# Allegro board WNS_FDM_2V1-1221P2.brd (continued)
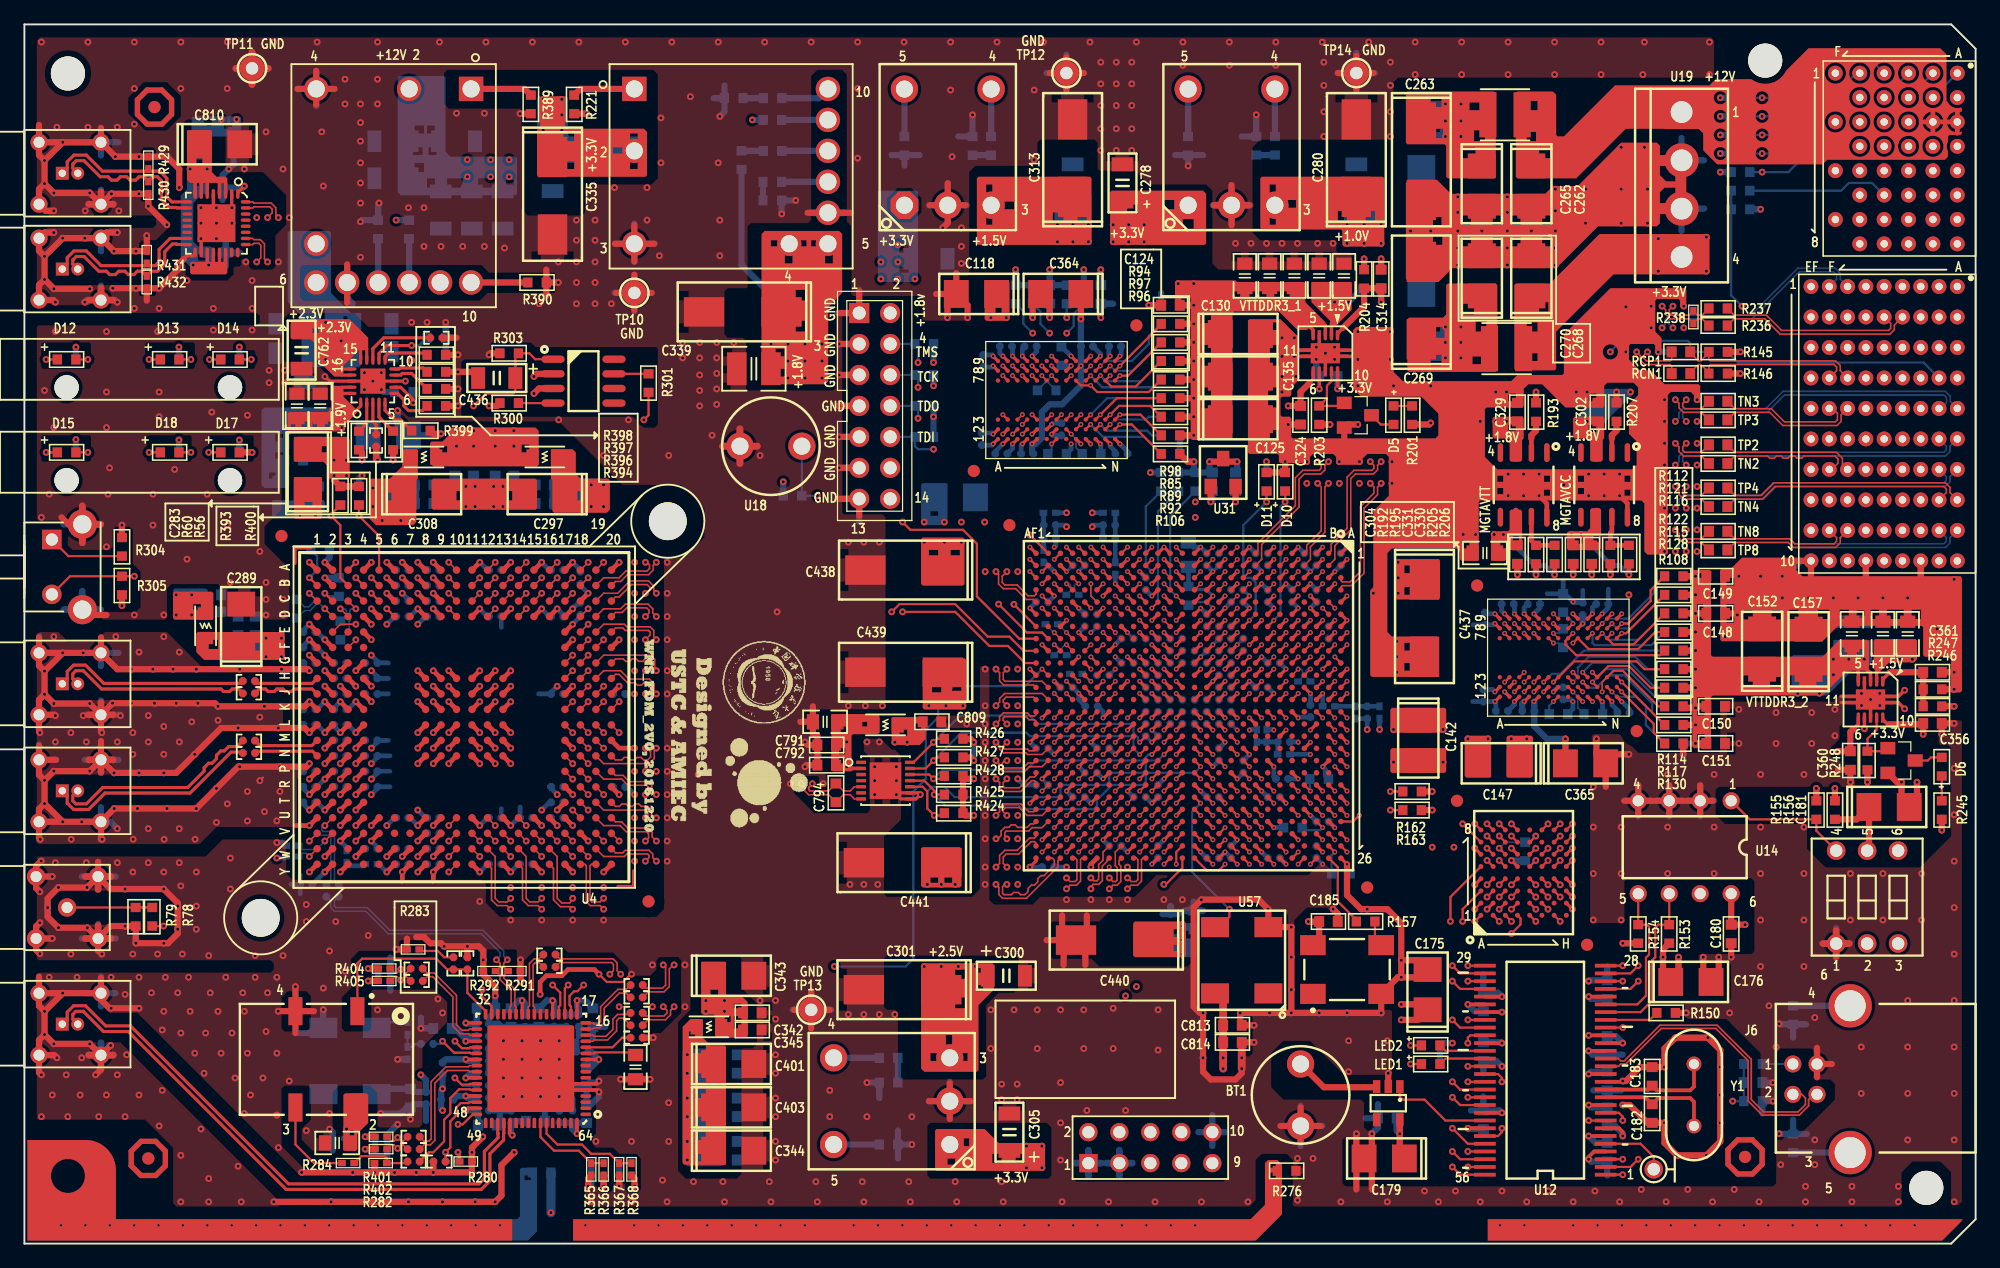
[diagram p0: board, top side]
## Routing (per net, layer and track width the routed paths; a pad name or vN(x,y) marks a point on that pad's centre or on a via; arc(x,y) is an arc through that point) (continued)
+1.8V: length 92.1
  TOP w0.254: U15.L11 v1(97.45,46.12) U15.M12 ; U15.A21 v1(108.45,36.12) ; U15.Y14 v1(88.45,43.12) ; U15.AB18 v1(86.45,39.12) ; U15.M18 v1(97.45,39.12) ; U15.D22 v1(105.45,35.12) ; U15.B18 v1(106.45,39.12) ; U17.D6 v2(121.94,32.43) ; U15.F16 v1(103.45,42.12) ; U15.T6 v1(92.45,51.12) ; U15.P10 v1(94.45,47.12) ; U15.E19 v1(104.45,38.12) ; U15.W17 v1(89.45,40.12) ; U17.G4 v2(125.94,29.43) ; U15.R9 v1(93.45,49.12) ; U17.H3 v2(126.94,28.43) ; U15.V10 v1(90.45,48.12) ; U15.F26 v1(103.45,31.12) ; U15.P8 v1(94.45,49.12) ; U15.T10 v1(92.45,48.12) ; U15.AD12 v1(84.45,46.12) ; v1(88.45,47.12) U15.AA11 ; U15.AB8 v1(86.45,50.12) ; U15.AF16 v1(82.45,41.12) ; U17.A4 v2(118.94,29.43) ; U15.U11 v1(91.45,47.12) ; U15.H20 v1(101.45,37.12) ; U17.D5 v2(121.94,31.43) ; U15.G23 v1(102.45,34.12) ; U15.M10 v1(97.45,48.12) ; U15.AC15 v1(85.45,42.12) ; U15.J17 v1(100.45,40.12) ; U15.L7 v1(98.45,51.12) ; U17.A6 v2(118.94,32.43) ; U15.W7 v1(90.45,50.12) ; U15.AE9 v1(83.45,49.12) ; U15.C25 v1(106.45,32.12) ; U15.L21 v1(98.45,36.12) ; U15.T8 v1(92.45,50.12) ; U15.AE19 v1(83.45,38.12)
  TOP w0.508: R163.2 v2(115.44,35.56) ; R162.1 v2(115.44,37.08) ; R207.2 v2(130.56,69.85) ; v2(105.28,26.42) C185.2 106.17,24.99 U16.4 ; R193.2 v2(123.95,69.85)
  ART03 w0.5: J7.2 70.99,77.46 ; J7.2 69.86,76.33 ; J7.2 72.12,76.33 ; J7.2 70.99,75.2
  BOTTOM w0.254: v1(97.45,48.12) U15.M10 ; C207.2 v1(90.45,50.12) ; v1(98.45,51.12) U15.L7 ; U15.T8 v1(92.45,50.12) ; U15.P10 v1(94.45,47.12) ; U15.R9 v1(93.45,49.12) ; U15.P8 v1(94.45,49.12) ; U15.T10 v1(92.45,48.12) ; U15.U11 v1(91.45,47.12) ; U15.AA11 v1(88.45,47.12) ; U15.V10 v1(90.45,48.12) ; U15.L11 v1(97.45,46.12) ; v1(83.45,38.12) C223.2
  BOTTOM w0.279: U15.C25 v1(106.45,32.12)
  BOTTOM w0.381: C209.2 v1(82.45,41.12) ; C371.2 v1(104.45,38.12) ; v1(98.45,36.12) U15.L21 ; R160.2 v1(102.45,34.12) ; v1(86.45,50.12) C222.2 ; C224.2 v1(101.45,37.12) ; R161.1 106.68,38.35 106.68,38.89 v1(106.45,39.12) ; v1(88.45,43.12) 88.45,43.62 C219.2 ; C368.2 v1(89.45,40.12) ; C211.2 v1(105.45,35.12) ; v1(84.45,46.12) U15.AD12 ; v1(100.45,40.12) C221.2 ; v1(97.45,39.12) C218.2 ; C208.2 v1(86.45,39.12) ; U15.F26 v1(103.45,31.12)
  BOTTOM w0.508: v2(101.85,64.14) R170.1 R168.1 ; R173.2 121.96,31.41 v2(121.94,31.43) ; R233.1 v2(139.06,87.88) ; R230.1 v2(139.06,93.98) ; R166.1 v2(74.55,67.82) R167.1 ; R165.1 v2(74.55,70.36) ; R232.1 v2(139.06,89.41) ; R229.1 v2(139.06,92.46) ; R231.1 v2(139.06,90.93) ; R169.1 v2(62.23,62.48) ; R210.2 58.8,80.26 61.21,77.85 v2(61.21,73.79) ; R172.1 v2(92.33,63.25) ; R164.1 v2(74.55,72.26)
  vias: v2(62.61,73.79) v2(62.61,72.39) v2(62.61,70.99) v2(64.01,73.79) v2(64.01,72.39) v2(64.01,70.99) v2(65.41,73.79) v2(65.41,72.39) v2(65.41,70.99) v2(74.17,44.12) v2(75.56,44.12) v2(76.96,44.12) v2(120.65,67.44) v2(121.54,67.44) v2(127.25,67.44) v2(128.14,67.44) v2(131.7,69.85)
+1.9V: length 10.4
  TOP w0.254: U59.1 27.58,68.71 27.07,68.2 ; 25.91,70.1 26.04,70.24 U59.19 ; U59.20 25.92,69.74
  TOP w0.508: R393.1 27.69,64.86 v2(27.69,64.26) ; v2(28.96,64.26) 28.84,64.39 C758.1 ; R400.1 v2(30.23,64.26)
  BOTTOM w0.508: v2(27.69,64.26) 27.69,65.79 C286.1 28.96,65.53 v2(28.96,64.26)
  vias: v2(12.45,53.21) v2(12.45,51.56) v2(13.72,53.21) v2(13.72,51.56) v2(25.27,68.33) v2(25.27,66.93) v2(26.04,68.33) v2(26.04,66.93) v2(35.43,66.67) v2(35.43,65.41) v2(36.83,66.67) v2(36.83,65.41) v2(38.61,66.67) v2(38.61,65.41) v2(40.13,66.67) v2(40.13,65.41)
+1.9VA: length 43.9
  TOP w0.381: U4.Y6 v2(29.72,30.48) ; U4.A6 v2(29.72,55.88) ; U4.E1 v2(23.37,50.8) ; U4.U8 v2(32.26,34.29) ; U4.N4 v2(27.18,39.37) ; U4.A2 v2(24.64,55.88) ; 24,48.9 v2(23.37,49.53) ; U4.U9 v2(33.53,34.29) ; U4.Y2 v2(24.64,30.48) ; U4.C6 v2(29.72,53.34) ; U4.H4 v2(28.45,45.72) ; U4.D9 v2(33.53,52.07) ; U4.W4 v2(27.18,31.75) ; U4.W6 v2(29.72,31.75) ; U4.B6 v2(29.72,54.61) ; U4.T1 v2(23.37,35.56) ; U4.D8 v2(32.26,52.07) ; U4.R1 v2(23.37,36.83)
  ART03 w0.508: v2(27.69,62.99) 26.23,61.53 25.08,61.53 23.88,60.33 v2(23.88,59.69)
  BOTTOM w0.381: v2(33.53,52.07) 34.03,51.57 C25.1 ; C38.1 22.87,49.03 v2(23.37,49.53) ; v2(29.72,55.88) U4.A6 C26.1 ; C28.1 27.95,46.22 v2(28.45,45.72) ; v2(29.72,53.34) U4.C6 C40.1 ; v2(32.26,34.29) 31.62,34.92 C41.1 ; v2(29.72,31.75) U4.W6 C24.1 ; v2(29.72,54.61) U4.B6 C42.1 ; C46.1 34.03,34.79 v2(33.53,34.29) ; v2(32.26,52.07) 31.62,51.44 C27.1 ; v2(24.64,30.48) 23.62,29.46 C23.1 ; C39.1 U4.W4 v2(27.18,31.75) ; C30.1 22.87,37.33 v2(23.37,36.83) ; C45.1 U4.N4 v2(27.18,39.37) ; v2(20.7,31.62) 21.34,31.62 R53.2 ; C43.1 22.87,36.06 v2(23.37,35.56) ; v2(23.37,50.8) 22.87,50.3 C22.1 ; C29.1 U4.Y6 v2(29.72,30.48) 29.08,31.11 R59.2
  BOTTOM w0.508: v2(24.64,55.88) 25.02,56.26 R54.2 ; v2(27.69,62.99) 27.43,62.74 R57.2 R61.2
  vias: v2(22.61,59.69)
+1.9VDR: length 31
  TOP w0.381: U4.D17 v2(44.96,52.07) ; U4.U15 v2(42.42,34.29) ; 36.7,51.44 v2(37.34,52.07) ; U4.D15 v2(42.42,52.07) ; U4.Y15 v2(42.42,30.48) ; U4.R20 v2(48.77,36.83) ; U4.T17 v2(43.69,35.56) ; U4.U16 v2(43.69,34.29) ; 36.7,34.92 v2(37.34,34.29) ; 36.7,55.24 v2(37.34,55.88) ; U4.C18 v2(46.23,53.34) ; 36.7,31.11 v2(37.34,30.48) ; U4.R17 v2(44.96,36.83) ; U4.J17 v2(44.96,45.72) ; U4.A15 v2(42.42,55.88) ; U4.J20 v2(48.77,45.72)
  BOTTOM w0.381: v2(42.42,55.88) 43.05,55.24 C47.1 ; v2(44.96,52.07) 45.46,52.57 C48.1 U4.C18 v2(46.23,53.34) 45.59,53.98 C49.1 ; C65.1 43.19,34.79 v2(43.69,34.29) ; C50.1 U4.J17 v2(44.96,45.72) ; v2(42.42,34.29) U4.U15 C64.1 ; v2(43.69,35.56) 44.19,36.06 C63.1 ; v2(42.42,52.07) 43.05,51.44 C59.1 ; v2(37.34,52.07) 37.97,51.44 C67.1 ; v2(48.77,36.83) 48.27,37.33 C62.1 ; v2(37.34,30.48) 37.97,31.11 C53.1 ; C51.1 U4.Y15 v2(42.42,30.48) ; C52.1 U4.R17 v2(44.96,36.83) ; C66.1 37.97,34.92 v2(37.34,34.29) ; v2(37.34,55.88) 37.97,55.24 C61.1 ; C68.1 48.27,45.22 v2(48.77,45.72)
  vias: v2(46.48,62.23) v2(46.48,60.45) v2(47.5,62.23) v2(47.5,60.45)
+1.9VE: length 11.2
  TOP w0.381: U4.A8 v2(32.26,55.88) ; U4.Y8 v2(32.26,30.48) ; U4.B9 v2(33.53,54.61) ; U4.C8 v2(32.26,53.34) ; U4.W9 v2(33.53,31.75) ; U4.V8 v2(32.26,33.02)
  BOTTOM w0.381: C69.1 U4.C8 v2(32.26,53.34) ; v2(33.53,31.75) 34.03,32.25 C73.1 ; C74.1 U4.Y8 v2(32.26,30.48) ; v2(32.26,55.88) U4.A8 C71.1 ; v2(33.53,54.61) 34.03,54.11 C70.1 ; C72.1 U4.V8 v2(32.26,33.02)
  vias: v2(28.57,61.98) v2(28.57,60.45) v2(29.34,59.31) v2(30.86,59.31)
+1.9VTC: length 25.3
  TOP w0.381: U4.K3 v2(25.91,44.45) ; U4.J3 v2(25.91,45.72) ; U4.G1 v2(23.37,48.26) ; U4.N2 v2(24.64,39.37) ; U4.G3 v2(25.91,46.99) ; U4.P4 v2(27.18,38.1) ; U4.P1 v2(23.37,38.1) ; U4.R3 v2(25.91,36.83) ; U4.L3 v2(25.91,41.91) ; U4.P3 v2(25.91,38.1) ; U4.H2 v2(24.64,46.99) ; U4.M3 v2(25.91,40.64) ; U4.R4 v2(27.18,36.83) ; U4.G4 v2(27.18,46.99)
  BOTTOM w0.381: v2(24.64,46.99) U4.H2 C36.1 ; v2(23.37,48.26) 23.87,47.76 C60.1 ; C37.1 25.41,42.41 v2(25.91,41.91) ; C55.1 23.87,38.6 v2(23.37,38.1) ; C54.1 U4.G4 v2(27.18,46.99) ; C44.1 U4.P4 v2(27.18,38.1) ; v2(25.91,45.72) 26.41,45.22 C32.1 ; v2(25.91,38.1) 26.41,38.6 C35.1 ; C33.1 U4.R4 v2(27.18,36.83) ; C31.1 26.41,41.14 v2(25.91,40.64) ; C34.1 26.41,37.33 v2(25.91,36.83) ; v2(25.91,44.45) 25.41,43.95 C57.1 ; v2(24.64,39.37) U4.N2 C56.1 ; C58.1 26.41,47.49 v2(25.91,46.99)
  vias: v2(19.81,49.66) v2(19.81,48.13) v2(21.08,49.66) v2(21.08,48.13)
+2.3V: length 12.4
  TOP w0.254: 25.91,71.37 26.04,71.24 U59.17 ; U59.14 28.08,73.4 27.81,73.66 ; U59.16 26.05,71.74 ; U59.15 27.58,73.39
  ART10 w0.508: v2(30.48,83.95) 28.54,82.01 U58.4
  BOTTOM w0.508: R391.2 v2(30.48,83.95)
  vias: v2(24.7,75.56) v2(24.7,74.04) v2(24.7,72.52) v2(25.97,75.56) v2(25.97,74.04) v2(25.97,72.52)
+2.5V: length 8.3
  TOP w0.254: U15.AF26 82.95,31.38 v2(82.45,30.88) ; U15.AA21 v1(87.45,36.12) ; U15.AD22 v1(84.45,35.12) ; U15.U23 v1(91.45,34.12) ; U15.AC25 v1(85.45,32.12) ; U15.Y24 v1(88.45,33.12) ; U15.V20 v1(90.45,37.12)
  BOTTOM w0.381: C248.2 v1(88.45,33.12) ; v1(90.45,37.12) C251.2 ; C249.2 v1(87.45,36.12) ; C250.2 v2(82.45,30.88)
  vias: v2(73.79,22.73) v2(74.04,29.46) v2(75.18,29.46) v2(75.18,22.73) v2(76.33,29.46) v2(76.58,22.73) v2(77.98,22.73)
+3.3V: length 103.3
  TOP w0.254: U15.N25 v1(96.45,32.12) ; U15.P22 v1(94.45,35.12) ; U15.R19 v1(93.45,38.12) ; U15.T16 v1(92.45,41.12) ; U33.10 152.38,42.99 ; U15.T26 v1(92.45,31.12) ; U15.K24 v1(99.45,33.12)
  TOP w0.279: 152.38,42.99 152.78,42.6 152.91,42.6 ; U29.10 v2(107.68,70.1) ; U33.7 v2(150.88,42.22) ; U29.7 v2(106.18,70.1)
  TOP w0.305: U12.39 v2(121.16,16.45) ; U12.18 v2(131.06,16.45) ; U12.14 v2(128.27,13.91) ; U12.34 v2(118.36,19.62) ; U12.50 v2(118.36,9.46) ; U12.24 v2(128.27,20.26) ; U12.10 v2(128.27,11.37) ; U12.6 v2(128.27,8.83)
  TOP w0.508: R248.1 v2(151.13,37.85) ; R156.2 v2(148.46,37.34) ; v2(112.9,18.35) 114.24,18.35 C175.1 114.62,19.62 v2(112.9,19.62) ; U31.1 v2(97.28,60.83) ; v2(141.1,26.16) C180.2 U14.8 ; R153.2 134.37,24.13 v2(134.37,23.5) 134.37,22.1 C176.1 135.64,22.1 v2(135.64,23.5) ; R155.2 v2(146.94,37.34) ; v2(115.32,67.31) 115.19,67.18 R201.1 ; R245.1 v2(157.23,33.91) ; U36.2 42,71.34 v2(41.78,71.12) ; C179.1 112.78,7.37 v2(112.78,9.02) 112.79,9.03 U13.5 ; R305.1 v2(8,52.32) ; v2(38.1,68.71) 38.76,68.71 R300.1 ; C356.1 155.7,42.6 ; 155.7,42.6 v2(155.7,41.78) ; 155.7,42.6 152.91,42.6 ; R203.1 v2(107.06,67.18) ; R154.2 v2(131.06,24.64)
  TOP w0.635: v2(98.3,14.35) v2(98.3,15.24) C814.2 C813.2 98.3,19.86 U57.4
  ART08 w0.508: v2(107.06,67.18) 106.3,66.42 100.33,66.42 98.3,64.39 98.3,61.85 v2(97.28,60.83)
  BOTTOM w0.254: v1(92.45,41.12) C245.2
  BOTTOM w0.381: C227.2 v1(96.45,32.12) ; v1(92.45,31.12) U15.T26 ; v1(99.45,33.12) C239.2 ; v1(93.45,38.12) C246.2
  BOTTOM w0.508: R306.1 v2(4.22,73.53) ; v2(118.36,9.46) 118.43,9.4 C170.1 ; R438.1 v2(17.62,65.91) ; v2(128.27,11.37) 128.46,11.18 C174.1 ; R148.2 R151.2 116.27,16.45 v2(117.09,16.45) ; C178.1 112.52,9.27 v2(112.78,9.02) ; C168.1 130.49,17.02 v2(131.06,16.45) ; C169.1 118.94,19.05 v2(118.36,19.62) ; C173.1 121.09,16.51 v2(121.16,16.45) ; R439.1 v2(12.67,65.91) ; R218.2 v2(59.69,92.17) ; C172.1 128.84,8.26 v2(128.27,8.83) ; R435.1 v2(17.62,73.53) ; R436.1 v2(4.22,65.95) ; R307.1 v2(12.67,73.53) ; v2(128.27,13.91) 128.46,14.1 129.79,14.1 ; C320.1 97.41,60.96 v2(97.28,60.83) ; C315.1 v2(107.68,70.1) ; C171.1 128.46,20.07 v2(128.27,20.26)
  vias: v2(16.13,92.2) v2(17.4,92.2) v2(42.55,93.85) v2(42.55,92.58) v2(42.55,91.31) v2(44.07,93.85) v2(44.07,92.58) v2(44.07,91.31) v2(55.88,19.94) v2(55.88,19.05) v2(57.4,19.94) v2(57.4,19.05) v2(70.23,80.52) v2(70.23,79.12) v2(71.37,41.12) v2(71.63,81.92) v2(71.63,80.52) v2(71.63,79.12) v2(72.39,41.12) v2(73.03,79.12) v2(82.17,8) v2(82.17,6.22) v2(83.44,8) v2(83.44,6.22) v2(89.28,83.57) v2(89.28,82.17) v2(90.55,83.57) v2(90.55,82.17) v2(91.82,83.57) v2(91.82,82.17) v2(94.93,26.04) v2(94.93,24.89) v2(94.93,23.75) v2(116.52,75.18) v2(116.52,73.91) v2(116.52,72.64) v2(117.79,75.18) v2(117.79,73.91) v2(117.79,72.64)
+3.3V_BUF: length 9.5
  TOP w0.279: U62.22 16.5,80.28 ; U62.21 16,80.27 ; U62.8 14,87.22 ; U62.20 15.5,80.27 ; U62.19 15,80.38 v2(15.11,80.26) ; U62.6 15,87.24 ; U62.4 16,87.12 ; U62.3 16.5,87.11 ; U62.7 14.5,87.1
  vias: v2(13.59,88.14) v2(13.84,80.26) v2(14.99,88.14)
+3.3V_IN: length 35.6
  ART08 w0.5: XJ4.E4 150.5,90.91 ; XJ4.E4 150.5,89.09 ; XJ4.E4 151.41,90 ; XJ4.E4 149.59,90 ; 152.5,89.09 XJ4.D4 ; XJ4.D4 153.41,90 ; XJ4.D4 151.59,90 ; XJ4.D4 152.5,90.91 ; XJ4.C4 155.41,90 ; XJ4.C4 153.59,90 ; XJ4.C4 154.5,89.09 ; XJ4.C4 154.5,90.91 ; 134.19,80.92 U19.4 ; U19.4 135.89,79.22 ; U19.4 135.89,82.63 ; U19.4 137.59,80.92
  ART10 w0.5: XJ4.E4 151.41,90 ; XJ4.E4 149.59,90 ; XJ4.E4 150.5,90.91 ; XJ4.E4 150.5,89.09 ; XJ4.C4 155.41,90 ; XJ4.C4 154.5,89.09 ; XJ4.C4 153.59,90 ; XJ4.C4 154.5,90.91 ; U19.4 137.59,80.92 ; U19.4 135.89,79.22 ; U19.4 135.89,82.63 ; U19.4 134.19,80.92 ; XJ4.D4 152.5,90.91 ; XJ4.D4 152.5,89.09 ; XJ4.D4 151.59,90 ; XJ4.D4 153.41,90
  vias: v2(133.99,82.42) v2(133.99,79.76) v2(137.92,82.55) v2(137.92,79.76)
+3.3V_T: length 9.7
  TOP w0.279: U60.2 67.58,38.97 v2(67.44,39.12)
  TOP w0.508: v2(77.85,38.12) 77.2,38.12 R428.1 R425.1 R424.1 77.15,35.12 v2(77.85,35.12) ; v2(77.85,41.12) 77.57,41.4 R426.1 ; v2(77.85,39.62) 77.59,39.88 R427.1
  BOTTOM w0.508: v2(77.85,39.62) v2(77.85,41.12)
  vias: v2(67.44,41.15)
+3.3VPLL: length 52.6
  TOP w0.254: U34.33 v2(36.2,18.1) ; U34.26 v2(40.82,19.94) ; U34.21 v2(43.32,19.94) ; U34.36 v2(36.2,16.6) ; U34.17 v2(45.32,19.94)
  TOP w0.305: U34.39 36.21,15.1 v2(36.2,15.11) ; U34.53 39.82,9.08 v2(40.01,8.89) ; U34.45 v2(36.2,12.1) ; v2(36.2,10.92) 36.37,11.1 U34.47 ; U34.10 v2(47.11,15.1) ; U34.42 36.21,13.6 v2(36.2,13.59) ; U34.64 v2(45.32,9.02)
  TOP w0.508: v2(50.04,4.7) 50.04,5.33 R368.1 ; R366.1 v2(47.5,4.7)
  BOTTOM w0.508: U6.4 29.32,12.7 C98.2 31.92,12.44 C424.2 32.93,13.42 v2(32.51,13.84) ; C418.2 36.36,11.94 v2(36.2,12.1) 35.46,12.1 C76.1 ; C94.2 37.21,10.8 C407.2 v2(36.2,10.92) ; C447.1 47.49,4.71 v2(47.5,4.7) ; v2(26.42,9.4) 26.42,8.77 C426.1 ; v2(40.01,8.89) 39.88,9.02 39.88,9.88 C449.1 40.04,10.03 C100.2 ; C420.2 C414.2 45.47,19.3 45.32,19.45 v2(45.32,19.94) 45.97,19.94 C93.2 ; C99.2 46.09,9.91 C406.2 ; C427.2 50.04,5.33 v2(50.04,4.7) ; C82.1 34.55,15.11 v2(36.2,15.11) 36.32,14.99 C448.1 ; C423.2 36.58,13.97 v2(36.2,13.59) ; C406.2 C409.2 ; C406.2 44.93,9.4 v2(45.32,9.02) ; C79.1 46.48,14.48 v2(47.11,15.1) 46.46,15.75 C75.1 ; C450.1 41.06,19.7 v2(40.82,19.94) 40.55,19.94 C80.1 ; C95.2 42.84,19.94 v2(43.32,19.94) 43.43,19.82 C422.2 ; C431.2 36.61,17.02 v2(36.2,16.6) 36.2,16.76 35.31,17.65 C97.2 ; v2(36.2,18.1) 36.26,18.03 C430.2 37.08,18.04 C96.2
  vias: v2(54.36,15.49) v2(54.36,13.97) v2(54.36,11.94) v2(54.36,10.41) v2(54.36,8.38) v2(54.36,6.86)
+12V: length 11
  ART10 w0.762: v2(36.32,88.9) v2(36.32,87.5) 36.32,87.38 35.05,86.11 35.05,81.28 34.09,80.32 U58.9
  vias: v2(38.23,88.9) v2(38.23,87.5) v2(39.75,88.9) v2(39.75,87.5) v2(116.52,93.47) v2(116.52,92.08) v2(116.52,90.81) v2(117.79,93.47) v2(117.79,92.08) v2(117.79,90.81)
+12V_IN: length 29.5
  TOP w0.381: 156.5,92.93 XJ4.B3 ; XJ4.B3 XJ4.A3 ; XJ4.B3 156.5,91.09 ; XJ4.B3 155.52,92 ; 158.5,92.96 XJ4.A3 ; XJ4.A3 158.5,91.06
  ART08 w0.5: XJ4.B3 156.5,92.91 ; XJ4.B3 157.41,92 ; XJ4.B3 155.59,92 ; 135.89,91.11 U19.1 ; U19.1 137.59,92.81 ; U19.1 135.89,94.51 ; U19.1 134.19,92.81 ; 158.5,92.91 XJ4.A3 157.59,92
  ART10 w0.5: 134.19,92.81 U19.1 ; U19.1 135.89,91.11 ; U19.1 135.89,94.51 ; U19.1 137.59,92.81 ; 158.5,92.91 XJ4.A3 157.59,92 ; XJ4.B3 156.5,92.91 ; XJ4.B3 155.59,92 ; XJ4.B3 157.41,92
GND: length 2270
  TOP w0.178: v2(49.78,22.1) 49.73,22.1 49.09,21.46 47.75,21.46 v2(47.12,22.1) ; 19.56,38.23 v2(19.3,37.97)
  TOP w0.254: U10.N1 v1(89.83,65.59) ; U15.U14 v1(91.45,43.12) ; U15.AB13 v1(86.45,45.12) ; U15.AF21 v1(82.45,36.12) ; U11.L9 v1(129.38,51.66) ; U11.N1 v1(130.98,44.46) ; U15.T11 v1(92.45,47.12) ; U15.N1 v1(96.45,57.12) ; U15.K13 v1(99.45,45.12) ; U15.F3 v1(103.45,55.12) ; U15.T9 v1(92.45,49.12) ; U15.D4 v1(105.45,54.12) ; U15.P3 v1(94.45,55.12) ; U15.N11 v1(96.45,47.12) ; U15.R10 v1(93.45,48.12) ; U11.C9 v1(122.18,51.66) ; U15.H7 v1(101.45,51.12) ; U15.AC20 v1(85.45,37.12) ; U11.J9 v1(126.98,51.66) ; U15.AA6 v1(88.45,52.12) ; U15.W2 v1(90.45,56.12) ; U15.E7 v1(104.45,51.12) ; U15.AE4 v1(84.45,53.12) ; U15.U18 v1(91.45,39.12) ; U10.B2 v1(80.23,66.39) ; U15.A6 v1(108.45,51.12) U15.A7 ; U15.R12 v1(93.45,46.12) ; U15.N2 v1(96.45,56.12) ; U11.L1 v1(129.38,44.46) ; U15.L1 v1(98.45,57.12) ; U15.V5 v1(90.45,53.12) ; U15.M11 v1(97.45,47.12) ; U11.N9 v1(130.98,51.66) ; U15.E1 v1(104.45,57.12) ; U15.W22 v1(89.45,35.12) ; U15.AD17 v1(84.45,40.12) ; U11.F8 v1(124.58,50.86) ; U15.A2 v1(108.45,56.12) ; U15.P4 v1(94.45,54.12) ; U15.R24 v1(93.45,33.12) ; U15.A16 v1(108.45,41.12) ; U15.AF1 v1(82.45,57.12) ; U15.T15 v1(92.45,42.12) ; U15.B4 v1(107.45,54.12) ; U15.C1 v1(106.45,57.12) ; U15.AC10 v1(86.45,48.12) ; U15.C5 v1(105.45,53.12) ; U15.J2 v1(100.45,56.12) ; U10.C9 v1(81.03,72.79) ; U10.F8 v1(83.43,71.99) ; U15.V25 v1(90.45,32.12) ; U15.U12 v1(91.45,46.12) ; U15.E24 v1(104.45,33.12) ; U15.C10 v1(106.45,48.12) ; U15.N7 v1(96.45,51.12) ; U15.A26 v1(108.45,31.12) ; U15.AB23 v1(86.45,34.12) ; U17.H4 v2(126.94,29.43) ; U15.R5 v1(93.45,53.12) ; U15.K9 v1(99.45,49.12) ; U15.E2 v1(104.45,56.12) ; U15.U8 v1(91.45,50.12) ; U15.AA16 v1(87.45,41.12) ; U15.P9 v1(94.45,48.12) ; U15.N5 v1(96.45,53.12) ; U15.M23 v1(97.45,34.12) ; U15.T4 v1(92.45,53.12) ; U15.G1 v1(102.45,57.12) ; U10.J9 v1(85.83,72.79) ; U15.V15 v1(90.45,42.12) ; v1(122.18,46.06) U11.B2 ; U15.P12 v1(94.45,46.12) ; U15.G18 v1(102.45,39.12) ; U11.A8 v1(120.58,50.86) ; U17.B2 v2(119.94,27.43) ; U15.R14 v1(93.45,43.12) ; U10.N9 v1(89.83,72.79) ; U15.L12 v1(98.45,46.12) ; U15.G8 v1(102.45,50.12) ; U15.A1 v1(108.45,57.12) ; U15.B7 v1(107.45,51.12) ; U15.H15 v1(100.45,43.12) ; U15.J22 v1(100.45,35.12) ; U15.F21 v1(103.45,36.12) ; U15.J12 v1(100.45,46.12) ; U10.D8 v1(81.83,71.99) ; U15.P15 v1(94.45,42.12) ; U15.AE24 v1(83.45,33.12) ; U15.Y19 v1(88.45,38.12) ; U15.R2 v1(93.45,56.12) ; U15.P17 v1(94.45,40.12) ; U15.U10 v1(91.45,48.12) ; U15.L14 v1(98.45,43.12) ; U15.M15 v1(97.45,42.12) ; U10.L9 v1(88.23,72.79) ; U15.E8 v1(104.45,50.12) ; U15.L5 v1(98.45,53.12) ; U15.L26 v1(98.45,32.12) ; U15.R11 v1(93.45,47.12) ; U15.T13 v1(92.45,45.12) ; U15.M7 v1(97.45,51.12) ; U15.D17 v1(105.45,41.12) ; U15.M13 v1(97.45,45.12) ; U15.F4 v1(103.45,54.12) ; U15.AE14 v1(83.45,43.12) ; U15.R1 v1(93.45,57.12) U15.T1 ; U15.L16 v1(98.45,41.12) ; U15.E14 v1(104.45,43.12) ; U15.AD7 v1(85.45,51.12) ; U15.L10 v1(98.45,48.12) ; U10.L1 v1(88.23,65.59) ; U15.M9 v1(97.45,49.12) ; U15.R8 v1(93.45,50.12) ; U15.H25 v1(101.45,32.12) ; U15.N14 v1(96.45,43.12) ; U10.D1 v1(81.83,65.59) ; U15.A5 v1(108.45,53.12) ; U15.T21 v1(92.45,36.12) ; U17.H6 v2(126.94,32.43) ; U10.D9 v1(81.83,72.79) ; U10.B8 v1(80.23,71.99) ; U15.J5 v1(100.45,53.12) ; U11.J1 v1(127.78,44.46) ; U10.B1 v1(80.23,65.59) ; U17.H2 v2(126.94,27.43) ; U15.B13 v1(107.45,45.12) ; U15.P13 v1(94.45,45.12) ; U15.C7 v1(106.45,51.12) ; U15.F11 v1(103.45,47.12) ; U15.C20 v1(106.45,37.12) ; U15.K11 v1(99.45,47.12) ; U15.K19 v1(99.45,38.12) ; U15.AF11 v1(82.45,47.12) ; U10.J1 v1(86.63,65.59) ; U11.D1 v1(122.98,44.46) ; U15.F7 v1(103.45,51.12) ; U10.F2 v1(84.23,67.19) ; U15.G5 v1(102.45,53.12) ; U10.A8 v1(79.43,71.99) ; U11.A1 v1(120.58,44.46) ; U15.M4 v1(97.45,54.12) ; U11.B8 v1(121.38,50.86) ; U15.T3 v1(92.45,54.12) ; U15.E5 v1(104.45,53.12) ; U10.A1 v1(79.43,65.59) ; U15.N20 v1(96.45,37.12) ; U11.D9 v1(122.98,51.66) ; U11.F2 v1(124.58,45.26) ; U15.N10 v1(96.45,48.12) ; U15.H4 v1(101.45,54.12) ; U15.B23 v1(107.45,34.12) ; v2(31.24,70.74) U59.8 v2(28.57,70.74) U59.18 25.02,70.74 v2(24.64,71.12) ; U15.D7 v1(105.45,51.12) ; U11.B1 v1(121.38,45.26) ; U15.K4 v1(99.45,54.12) ; U15.K7 v1(99.45,51.12) ; U15.AB3 v1(86.45,55.12) ; U15.W12 v1(90.45,46.12) ; U15.J1 v1(100.45,57.12) ; U15.P7 v1(94.45,50.12) ; U11.D8 v1(122.98,50.86) ; U15.K3 v1(99.45,55.12) ; U15.Y9 v1(89.45,49.12) ; 71.64,36.97 v2(71.5,36.83) 71.86,36.47 U60.8 73.11,36.47 v2(73.47,36.83) 73.32,36.97 U60.9 71.64,36.97
  TOP w0.279: v2(154.18,45.39) 153.67,44.88 152.39,44.88 v2(152.14,45.13) ; v2(15.75,84.96) 15.5,85.21 U62.5 ; v2(107.44,73.53) 107.68,73.28 109.22,73.28 ; v2(109.35,72.52) 109.09,72.77 107.68,72.77 v2(107.44,72.53) ; v2(150.64,44.13) 150.39,44.37 148.97,44.37 ; U33.4 150.88,45.37 v2(150.64,45.13) 150.39,44.88 148.97,44.88 ; v2(152.14,44.13) 152.39,44.37 153.67,44.37 v2(154.18,43.87) ; U62.2 17,84.98 v2(17.02,84.96) ; v2(106.69,73.03) 106.68,73.02 U29.8 ; v2(105.94,73.53) 106.18,73.77 U29.4 ; 13.08,80.77 13.34,81.03 13.84,81.03 14,81.18 U62.17 ; v2(14.48,82.42) 14.5,82.4 U62.18 ; v2(18.03,86.74) 17.5,86.21 U62.1 ; v2(151.39,44.63) 151.38,44.62 U33.8
  TOP w0.305: U12.4 128.71,7.56 128.27,7.11 v2(128.27,6.92) ; U12.33 v2(121.16,20.26) ; U12.19 v2(128.27,17.08) ; v2(105.94,72.53) 105.69,72.77 104.27,72.77 ; v2(131.06,8.83) 131.06,9.16 130.76,9.46 U12.7 ; U12.13 131,13.27 v2(131.06,13.34) ; v2(105.94,73.53) 105.69,73.28 104.27,73.28 ; U12.17 v2(128.27,15.81) ; v2(47.12,12.45) 46.96,12.6 U34.5 44.9,12.6 44.11,11.81 ; U12.35 v2(121.16,18.99) ; v2(47.12,13.34) 46.88,13.1 U34.6 44.13,13.1 44.11,13.08 ; U12.48 v2(121.16,10.73)
  TOP w0.381: U4.M9 v2(33.53,40.64) ; U4.U4 v2(27.18,34.29) ; 36.7,41.27 v2(37.34,40.64) ; 36.7,42.55 v2(37.34,41.91) ; 39.24,31.11 v2(39.88,30.48) ; v2(124.21,61.34) 124.84,60.71 124.84,59.58 ; U4.H9 v2(33.53,46.99) ; U4.G2 v2(24.64,48.26) ; U4.W2 v2(24.64,31.75) ; U4.D5 v2(28.45,52.07) ; U4.B8 v2(32.26,54.61) ; U4.Y1 v2(23.37,30.48) ; U4.V3 v2(25.91,33.02) ; U4.A4 v2(28.45,55.88) ; 39.24,40.01 v2(39.88,39.37) ; 39.24,41.27 v2(39.88,40.64) ; U30.8 131.44,60.71 v2(130.81,61.34) ; U4.V18 v2(46.23,33.02) ; U4.A1 v2(23.37,55.88) ; 39.24,51.44 v2(39.88,52.07) ; U4.E4 v2(28.45,49.53) ; 25.27,48.9 v2(24.64,49.53) ; U4.T3 v2(25.91,35.56) ; U4.Y9 v2(33.53,30.48) 33.53,29.72 ; U4.M17 v2(44.96,40.64) ; U4.J12 v2(38.61,45.72) ; 36.7,46.35 v2(37.34,46.99) ; U4.L9 v2(33.53,41.91) ; U4.P2 v2(24.64,38.1) ; U4.U1 v2(23.37,34.29) 22.23,34.29 ; U4.D4 v2(28.45,50.8) ; U4.B2 v2(24.64,54.61) ; U4.M20 48.77,40.64 v2(50.04,40.64) ; v2(47.12,22.1) 46.74,22.48 44.58,22.48 44.07,21.97 42.8,21.97 42.29,21.46 v2(42.29,20.45) ; U4.K4 v2(27.18,44.45) ; 39.24,34.92 v2(39.88,34.29) ; U4.D16 v2(43.69,52.07) ; U4.A9 v2(33.53,55.88) ; U4.K9 v2(33.53,44.45) ; U4.L8 v2(32.26,41.91) ; U4.K10 v2(34.8,44.45) ; U4.M10 v2(34.8,40.64) ; 36.7,45.09 v2(37.34,45.72) ; U4.V5 v2(28.45,33.02) ; U4.N3 v2(25.91,39.37) ; 31.62,32.38 v2(30.99,31.75) ; U4.U3 v2(25.91,34.29) ; 39.24,46.35 v2(39.88,46.99) ; 31.62,31.11 v2(30.99,30.48) 30.99,29.72 ; U4.T4 v2(27.18,35.56) ; U4.A17 v2(44.96,55.88) ; U4.W8 v2(32.26,31.75) ; U4.H10 v2(34.8,46.99) ; U4.H3 v2(27.18,45.72) ; U4.L4 v2(27.18,41.91) ; U4.N12 v2(38.61,39.37) ; 48.13,48.9 v2(48.77,49.53) ; U4.J8 v2(32.26,45.72) ; U4.J10 v2(34.8,45.72) ; 31.62,55.24 v2(30.99,55.88) ; U4.L1 v2(23.37,41.91) ; U4.R2 v2(24.64,36.83) ; U4.K1 v2(23.37,44.45) ; U4.A20 v2(48.77,55.88) ; 39.24,42.55 v2(39.88,41.91) ; U4.K12 v2(38.61,44.45) ; U4.J2 v2(24.64,45.72) ; U4.M2 v2(24.64,40.64) ; U4.H12 v2(38.61,46.99) ; v2(87.45,30.88) 87.45,31.12 U15.AA26 ; U4.N10 v2(34.8,39.37) ; 36.7,43.81 v2(37.34,44.45) ; U4.M12 v2(38.61,40.64) ; 36.7,40.01 v2(37.34,39.37) ; U4.L10 v2(34.8,41.91) ; 39.24,55.24 v2(39.88,55.88) ; U4.K8 v2(32.26,44.45) ; U4.T2 v2(24.64,35.56) ; U4.L12 v2(38.61,41.91) ; U4.N9 v2(33.53,39.37) ; U4.U5 v2(28.45,34.29) ; U4.U17 v2(44.96,34.29) ; 39.24,43.81 v2(39.88,44.45) ; U4.J9 v2(33.53,45.72) ; U4.Y17 v2(44.96,30.48) ; U4.H8 v2(32.26,46.99) ; U4.N8 v2(32.26,39.37) ; 44.32,48.9 v2(44.96,49.53) ; 39.24,45.09 v2(39.88,45.72) ; U4.M8 v2(32.26,40.64) ; U4.Y20 v2(47.5,30.48) ; U4.V9 v2(33.53,33.02) ; U4.E17 v2(44.96,50.8) ; 31.62,53.98 v2(30.99,54.61) ; U4.C9 v2(33.53,53.34)
  TOP w0.508: J6.4 147,16.06 ; J6.4 148.21,14.73 ; J6.4 147,13.65 ; J11.6 1.2,19.5 v2(1.65,19.05) ; J11.6 1.2,21.9 ; J11.6 v2(3.14,20.54) ; v2(9.4,38.61) v2(11.43,38.61) 12.45,38.61 v2(13.97,40.13) 16.13,42.29 v2(17.53,42.29) v2(20.83,42.29) 22.99,42.29 v2(23.37,41.91) ; v2(9.4,38.61) v2(7.35,38.61) J9.5 ; v2(9.4,38.61) 9.42,38.63 ; U14.2 138.43,36.32 ; U14.2 136.27,36.32 ; U14.2 137.41,37.59 ; U14.2 137.41,35.18 ; 10.03,77.34 R432.2 ; R432.2 v2(9.14,78.36) v2(7.25,78.36) ; R432.2 v2(11.05,78.36) 12.57,79.88 v2(12.57,80.26) 13.08,80.77 ; C330.2 v2(128.52,54.86) ; v2(1.65,37.99) v2(1.65,36.09) ; v2(1.65,37.99) v2(2.41,38.76) v2(5.36,38.76) J9.5 ; v2(1.65,37.99) 1.2,38.45 J9.6 ; v2(1.65,36.09) 1.2,35.64 J9.3 ; v2(1.65,36.09) v2(3.14,34.6) ; v2(103.89,18.92) v2(103.89,20.83) v2(103.89,23.5) v2(103.89,25.96) U57.2 102.01,27.41 v2(101.98,27.43) 101.2,28.21 96.52,28.21 v2(96.51,28.2) 95.89,27.58 95.89,19.43 96.39,18.92 v2(96.65,18.92) v2(96.65,15.24) 96.65,14.1 97.28,13.46 99.31,13.46 99.82,13.97 v2(99.82,14.35) ; v2(103.89,18.92) v2(106.17,18.92) v2(108.46,18.92) v2(111.26,18.92) U16.2 112.62,21.84 v2(112.9,21.84) ; v2(103.89,18.92) v2(102.11,18.92) v2(99.69,18.92) 99.69,18.03 C813.1 v2(100.84,17.91) ; J8.3 1.2,44.6 v2(1.65,45.06) ; J8.3 1.2,41.98 v2(1.27,41.91) ; J8.3 2.47,43.37 v2(2.54,43.31) ; BT1.2 106.3,9.65 ; BT1.2 104.65,11.18 ; BT1.2 103,9.65 ; BT1.2 104.65,8.26 ; 109.22,4.45 109.22,6.35 C179.2 ; 68.45,66.17 v2(66.8,66.17) ; J4.3 0.96,26.01 v2(1.27,26.32) ; J4.3 v2(2.29,25.03) ; J4.3 0.96,24.09 v2(1.27,23.78) ; v2(155.19,37.85) 155.19,36.45 C181.2 153.92,36.45 v2(153.92,37.85) 153.57,37.85 Q2.2 ; v2(1.65,17.14) 1.2,16.69 J11.3 ; v2(1.65,17.14) v2(1.65,19.05) ; v2(1.65,17.14) v2(2.41,16.38) v2(5.36,16.38) J11.4 ; v2(10.03,82.68) R431.1 v2(9.14,81.41) v2(7.34,81.41) J16.5 ; v2(137.67,23.5) 137.67,22.1 C176.2 138.94,22.1 v2(138.94,23.5) ; J9.6 1.2,40.82 ; J9.6 2.59,39.68 ; C793.2 64.66,41.8 ; C793.2 64.66,44.07 ; C793.2 63.63,42.8 ; C365.2 128.91,40.16 v2(128.91,41.4) ; C365.2 129.67,37.47 ; C365.2 130.4,40.13 v2(131.57,40.13) ; v2(131.06,13.34) 131.32,13.34 v2(132.46,14.48) C183.1 v2(134.49,14.48) 134.49,16 v2(135.38,16.89) v2(138.05,16.89) 139.06,15.88 v2(139.06,14.48) v2(139.06,12.19) v2(139.06,9.91) 139.06,8.38 v2(137.92,7.24) v2(135.51,7.24) 134.49,8.26 v2(134.49,9.91) C182.1 133.1,9.91 131.64,11.37 v2(131.06,11.37) ; XJ3.AB10 155.5,54.41 ; v2(5.84,13.84) 6.28,14.28 J11.4 ; v2(23.37,46.99) 23.24,47.12 v2(21.08,47.12) v2(17.65,47.12) v2(14.1,47.12) v2(12.19,47.12) v2(10.54,47.12) v2(8.76,47.12) 7.62,47.12 J8.5 ; U13.2 v2(111.84,13.97) ; 3.05,59.56 3.61,59 U63.3 ; v2(1.65,46.96) v2(3.14,48.45) ; v2(1.65,46.96) 1.2,47.41 J8.6 ; v2(1.65,46.96) v2(1.65,45.06) ; v2(3.14,48.45) v2(4.83,48.45) J8.5 ; v2(3.14,48.45) J8.6 ; v2(99.44,64.14) 98.55,64.14 U31.3 98.04,64.14 v2(97.18,64.14) ; C180.1 v2(139.95,23.5) ; v2(1.38,31.38) 0.96,30.96 J4.4 ; U35.2 v2(20.81,19.06) ; U35.2 v2(22.23,21.08) ; U35.2 22.23,17.27 ; U35.2 23.74,19.06 ; v2(1.65,19.05) v2(3.14,20.54) ; J8.5 6.28,49.73 ; TP10.1 50.01,76.56 ; TP10.1 51.44,77.98 ; TP10.1 50.01,79.48 ; TP10.1 48.51,77.98 ; 85.09,26.92 85.09,26.04 C440.2 ; R399.2 33.53,66.42 v2(34.16,66.42) ; v2(84.07,75.95) 84.07,77.15 C364.2 82.68,77.24 v2(82.68,75.95) ; R145.1 v2(140.72,73.14) ; J15.6 1.2,91.75 ; J15.6 v2(3.14,90.33) ; J15.6 1.2,89.29 v2(1.65,88.84) ; v2(95.91,64.14) 95.38,64.14 R106.1 ; 32.13,25.15 32.77,25.15 33.27,24.64 34.16,24.64 v2(34.42,24.38) v2(36.32,24.38) ; R56.2 R60.2 25.4,62.61 v2(25.4,62.99) ; v2(1.4,13.84) 1.2,14.04 J11.3 ; C791.2 64.26,40.89 v2(64.01,41.15) ; C791.2 65.02,41.66 ; C791.2 C792.2 64.14,39.24 v2(64.01,39.12) ; U27.2 74.17,11.68 ; U27.2 75.88,10.22 ; U27.2 75.88,13.14 ; U27.2 77.6,11.68 ; C304.2 v2(122.43,54.86) ; v2(100.84,16.51) C814.1 99.82,16.26 ; J4.5 v2(5.14,29.21) v2(2.79,29.21) 1.91,28.32 v2(1.91,27.56) 1.91,26.8 v2(2.79,25.91) v2(5.16,25.91) J4.2 ; J4.5 7.07,29.08 v2(8.26,29.08) v2(11.43,29.08) 12.57,27.94 v2(12.57,27.69) v2(12.57,25.78) 12.57,25.43 11.79,24.64 v2(11.43,24.64) v2(9.14,24.64) 9.13,24.66 R79.2 8.27,26.05 v2(8.26,26.04) 8.24,26.05 7.06,26.05 J4.2 ; J4.5 6.04,31.31 ; 68.45,78.11 J7.1 66.8,76.33 ; J16.5 v2(4.95,82.47) v2(3.14,82.47) v2(1.65,80.98) ; J16.5 6.74,82.93 v2(7.62,82.93) ; v2(23.37,39.37) 23.11,39.12 v2(20.95,39.12) v2(17.65,39.12) 17.53,39.12 v2(15.75,37.34) v2(14.1,35.69) v2(11.68,35.69) v2(9.27,35.69) v2(7.37,35.69) J9.4 ; v2(12.7,86.61) 12.7,88.14 v2(11.68,89.15) R429.1 v2(9.4,89.15) v2(7.46,89.15) J15.5 ; TP14.1 109.22,97.41 ; TP14.1 109.22,94.61 ; TP14.1 107.7,96.01 ; TP14.1 110.62,96.01 ; J11.5 6.28,20.01 6.98,19.3 v2(7.11,19.3) v2(9.4,19.3) ; J11.5 6.28,21.79 ; J11.5 v2(3.14,20.54) ; v2(33.53,5.84) v2(32.13,5.84) v2(30.35,5.84) v2(28.7,5.84) ; v2(33.53,5.84) v2(36.7,5.84) 36.69,5.85 36.69,6.6 36.7,6.6 R280.2 v2(36.7,7.49) 36.7,7.87 v2(37.59,8.76) ; v2(33.53,5.84) 33.54,5.85 C417.2 ; v2(107.31,27.43) 107.7,27.05 C185.1 ; J8.4 v2(7.23,44.33) 8.76,44.33 v2(8.76,44.32) v2(10.67,44.32) v2(12.45,44.32) v2(14.22,44.32) 15.62,44.32 v2(15.88,44.07) v2(19.68,44.07) 22.99,44.07 v2(23.37,44.45) ; J8.4 v2(5.36,44.29) v2(2.41,44.29) v2(1.65,45.06) ; J8.4 6.28,41.98 v2(6.35,41.91) ; R282.2 v2(28.7,5.84) ; v2(28.7,5.84) v2(26.92,5.84) v2(22.73,5.84) ; J4.2 6.04,24.06 v2(6.35,23.75) ; TP12.1 86.87,96.01 ; TP12.1 85.45,97.31 ; TP12.1 85.45,94.64 ; TP12.1 84.07,96.01 ; R150.1 v2(136.27,18.92) ; v2(77.34,75.95) 77.34,76.96 C118.2 ; v2(149.73,37.85) C360.2 148.72,38.86 ; R367.1 v2(48.77,4.7) ; v2(75.31,83.31) 75.72,83.72 U28.2 ; U63.4 5.19,51.56 6.73,51.56 ; U28.2 75.72,86.97 ; U28.2 77.17,85.17 ; U28.2 74.22,85.17 ; C421.1 v2(36.32,24.38) ; v2(36.32,24.38) 37.27,24.38 37.63,24.02 v2(37.63,23.28) R292.1 37.63,22.06 v2(38.1,21.59) 38.61,21.08 v2(38.61,20.32) ; C179.2 109.22,7.62 v2(109.22,9.02) ; C179.2 110.49,7.62 v2(110.49,9.02) ; C179.2 110.49,6.35 110.49,4.45 ; v2(3.14,90.33) J15.5 ; v2(3.14,90.33) v2(1.65,88.84) ; v2(11.68,83.57) v2(10.16,85.09) R430.2 v2(9.4,86.11) v2(7.13,86.11) J15.4 v2(5.36,86.17) v2(2.41,86.17) v2(1.65,86.94) ; R130.1 v2(136.02,40.13) ; J11.4 v2(7.07,16.26) ; 31.37,25.02 R283.1 v2(30.48,24.13) ; U14.4 132.33,37.59 ; U14.4 131.19,36.32 ; U14.4 133.48,36.32 ; U14.4 132.33,35.18 ; v2(41.78,69.72) 42.2,70.14 U36.3 ; J15.5 6.28,91.5 ; TP13.1 66.04,19.18 ; TP13.1 64.52,20.7 ; TP13.1 64.52,17.65 ; TP13.1 63.12,19.18 ; v2(5.36,78.31) v2(2.41,78.31) v2(1.65,79.07) ; v2(1.65,80.98) v2(1.65,79.07) ; v2(1.65,80.98) 1.2,81.43 J16.6 1.66,82.93 v2(2.41,82.93) ; J11.3 2.45,15.46 v2(2.67,15.24) ; U14.3 134.87,37.59 ; U14.3 133.73,36.32 ; U14.3 134.87,35.18 ; U14.3 136.02,36.32 ; R390.2 v2(43.78,78.83) ; R390.2 42.8,77.72 ; R390.2 42.8,79.88 ; C118.2 74.76,77.89 ; C118.2 75.69,77.17 v2(75.69,75.95) ; C118.2 76.42,79.59 ; v2(112.9,23.24) v2(112.9,21.84) ; v2(112.9,23.24) 112.9,26.29 111.76,27.43 v2(110.11,27.43) 109.6,27.43 108.45,28.58 v1(108.45,31.12) ; v2(112.9,23.24) 114.3,23.24 C175.2 114.43,21.84 v2(112.9,21.84) ; 108.23,65.68 Q1.2 108.48,67.18 v2(109.35,67.18) ; R304.1 v2(8,58.93) ; 146.5,54.41 XJ3.EF10 145.04,56 ; 87,22.86 87,24.13 C440.2 ; R146.1 v2(140.72,71.36) ; v2(48.9,13.48) C411.1 v2(51.31,13.48) ; R397.2 v2(35.56,71.5) 36.7,71.5 C436.2 ; XJ3.CD10 151,54.49 ; 87.12,26.92 87.12,25.78 C440.2 ; J9.5 6.28,41.22 ; R247.2 v2(158.24,45.47) ; U32.3 50.01,80.54 ; U32.3 50.01,83.54 ; U32.3 51.65,82.01 ; U32.3 48.42,82.01 ; R394.2 v2(35.56,68.71) ; 68.45,63.63 v2(66.8,63.63) ; J7.5 v2(66.8,71.25) ; C440.2 83.82,24.89 ; C440.2 85.22,23.88 85.22,22.86 ; 98.98,83.52 U24.2 98.98,86.82 ; v2(1.27,28.86) 0.96,29.17 J4.4 ; U58.3 25.43,94.71 ; U58.3 23.93,93.42 ; U58.3 22.39,94.71 ; U58.3 23.93,96.19 ; v2(158.24,42.67) C356.2 v2(157.23,41.78) ; v2(1.65,79.07) 1.2,78.62 J16.3 2.37,77.39 v2(2.54,77.22) ; v2(46.23,4.7) 46.23,5.33 R365.1 ; C324.2 v2(103.63,67.18) ; v2(1.65,86.94) v2(1.65,88.84) ; v2(1.65,86.94) 1.2,86.48 J15.3 1.74,84.71 v2(2.41,84.71) ; D17.2 v2(18.67,64.9) ; R303.2 38.23,73.03 v2(38.1,72.9) ; J9.3 v2(3.14,34.6) ; J9.3 1.2,33.26 v2(1.3,33.16) ; v2(3.14,34.6) v2(4.7,34.6) J9.4 ; J9.4 6.28,33.16 v2(6.38,33.16) ; v2(40.68,21.46) R291.2 v2(40.68,23.28) ; C331.2 v2(127,54.86) ; J4.4 v2(2.29,30.11) ; v2(103.38,64.14) D10.2 D11.2 ; J8.6 1.2,49.71 ; C410.1 v2(51.56,16.89) ; J7.7 v2(66.8,68.71) ; C314.2 v2(111.25,80.77) ; R204.2 v2(109.86,80.77) ; R192.2 v2(123.95,54.86) ; C124.1 v2(92.2,76.96) ; v2(40.17,7.49) 39.12,6.44 39.12,3.94 v2(38.61,3.43) v2(36.96,3.43) v2(34.29,3.43) v2(31.5,3.43) v2(28.83,3.43) v2(25.15,3.43) v2(20.45,3.43) ; 67.73,84.55 U32.6 64.23,84.55 ; 68.45,59.69 68.45,61.09 66.67,61.09 ; 26.47,80.32 U58.6 26.47,77.16 ; 68.45,73.79 v2(66.8,73.79) ; R221.1 v2(46.1,92.68) ; C763.2 35.43,74.3 ; R389.1 v2(40.64,92.68) ; R398.2 v2(35.56,72.9) ; R396.2 v2(35.56,70.1) ; R205.2 v2(130.05,54.86) ; C361.2 v2(158.24,46.86)
  TOP w0.559: U63.3 6.25,59 ; U63.3 4.75,57.49 ; U63.3 4.75,60.5 ; 7.28,15.46 J11.4 5.28,15.46 ; 100.41,85.17 U24.2 97.56,85.17 ; J8.4 6.28,44.38 ; J8.4 5.28,43.37 ; J8.4 7.28,43.37 ; 58.67,63.98 U18.1 ; U18.1 58.67,66.83 ; U18.1 57.25,65.41 ; U18.1 60.1,65.41 ; 5.28,85.25 J15.4 ; J15.4 7.28,85.25 ; J15.4 6.28,86.26 ; 4.99,25.03 J4.2 ; J4.2 7.09,25.03 ; J4.2 6.04,26.08 ; J16.4 7.28,77.39 ; J16.4 5.28,77.39 ; J16.4 6.28,78.39 ; 147.5,24.61 SW1.1 ; SW1.1 149.63,24.61 ; SW1.1 148.56,25.68 ; SW1.1 148.56,23.55 ; 17.35,96.39 TP11.1 ; TP11.1 19.99,96.39 ; TP11.1 18.67,97.71 ; TP11.1 18.67,95.07 ; 6.04,29.06 J4.5 ; J4.5 4.99,30.11 ; J4.5 7.09,30.11 ; J9.5 7.28,39.68 ; J9.5 6.28,38.67 ; J9.5 5.28,39.68
  TOP w0.635: v2(99.82,14.35) v2(99.82,15.24) 99.82,16.26